# KiCad board aquarius-plus.kicad_pcb
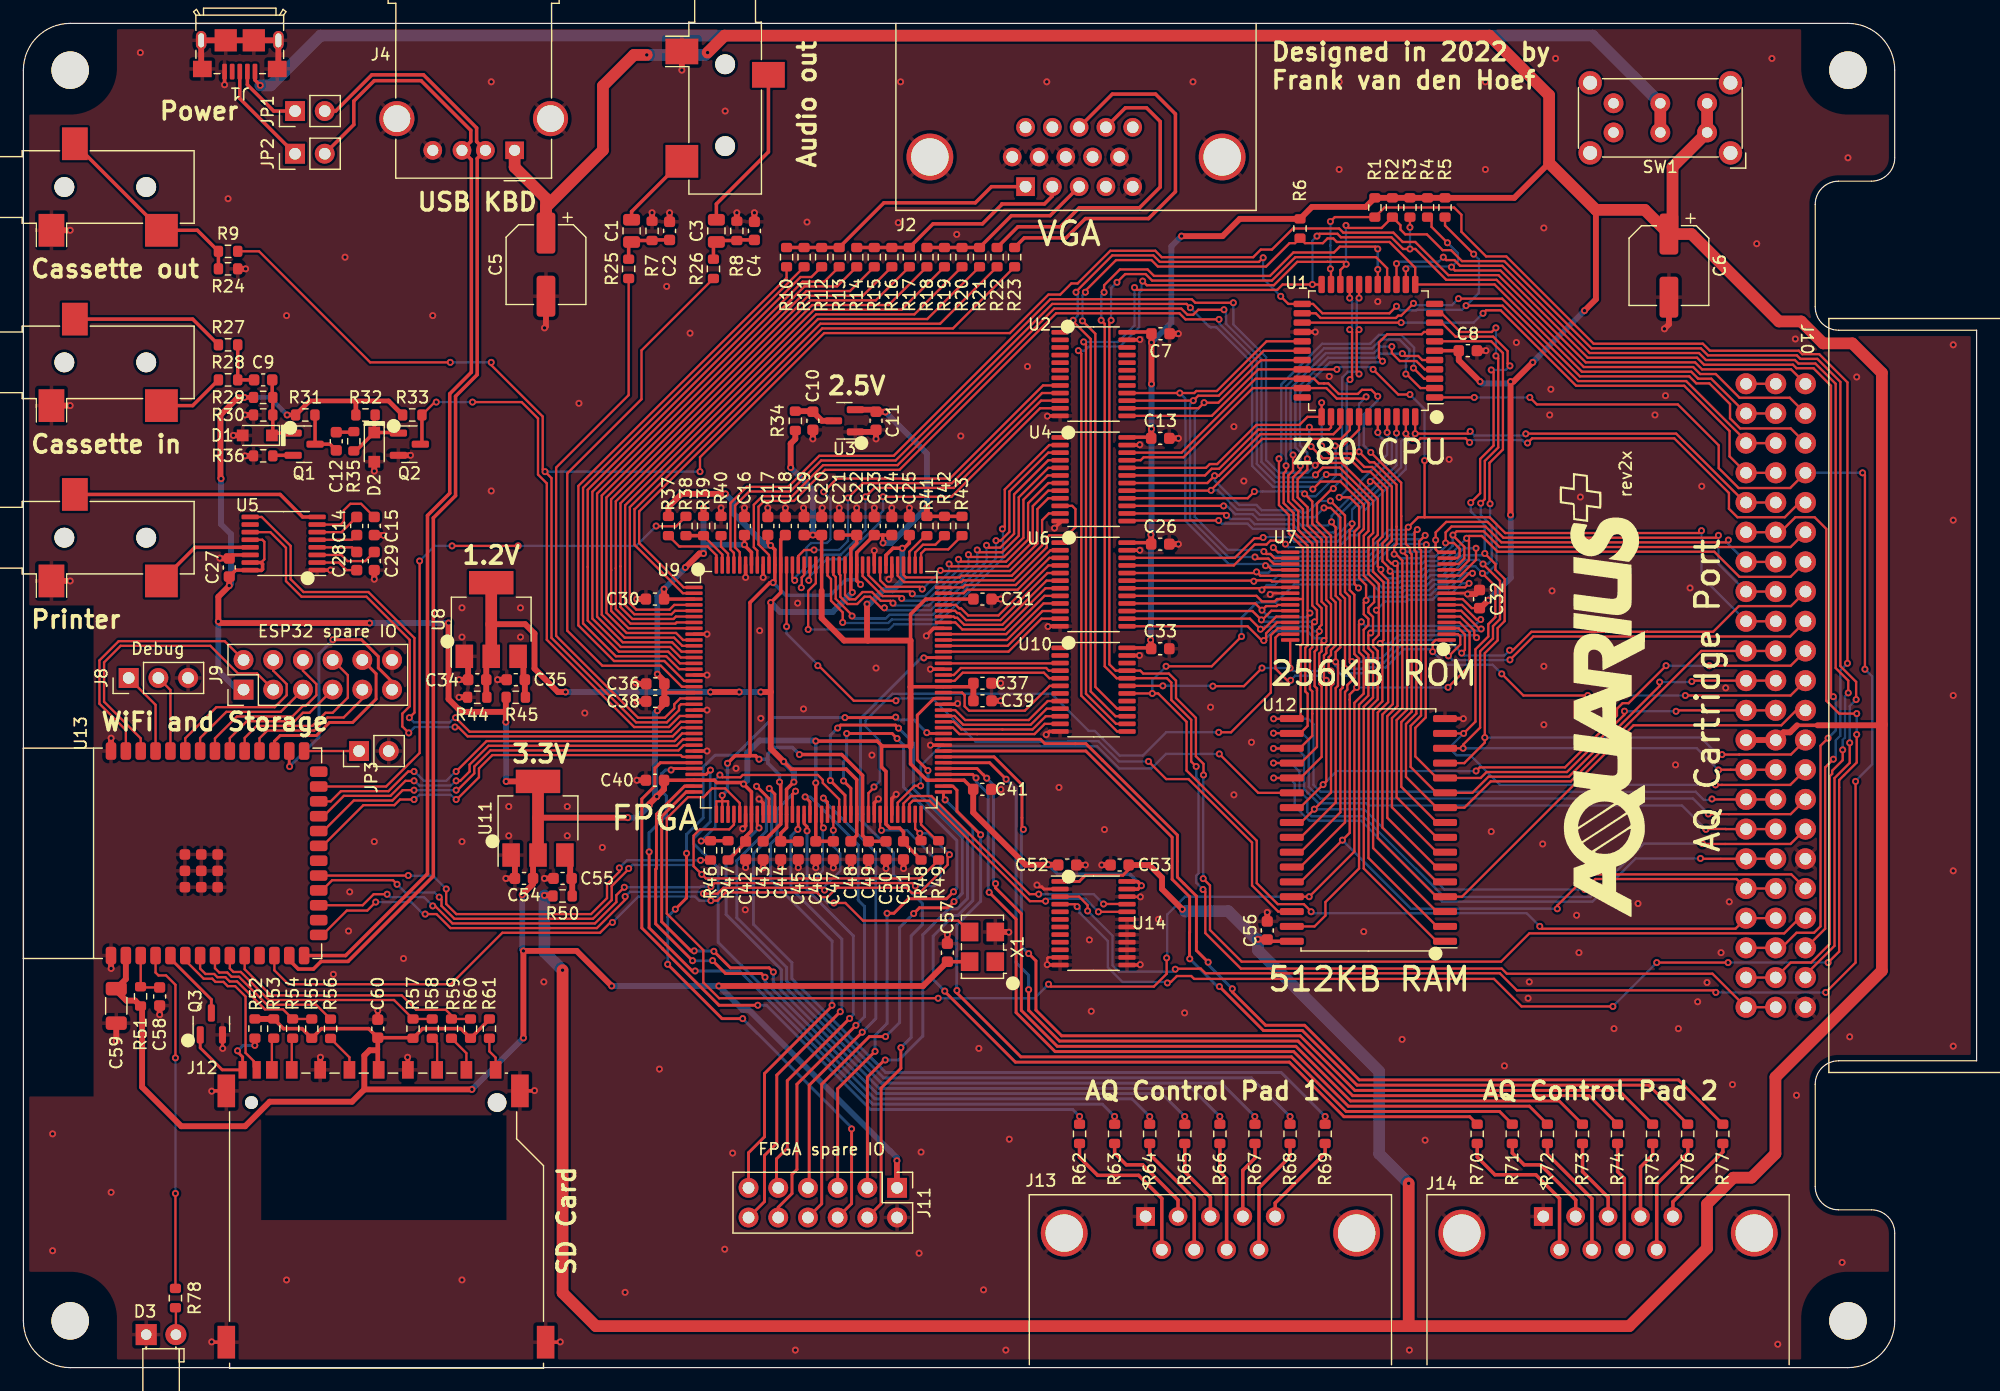
[diagram p0: board, top side]
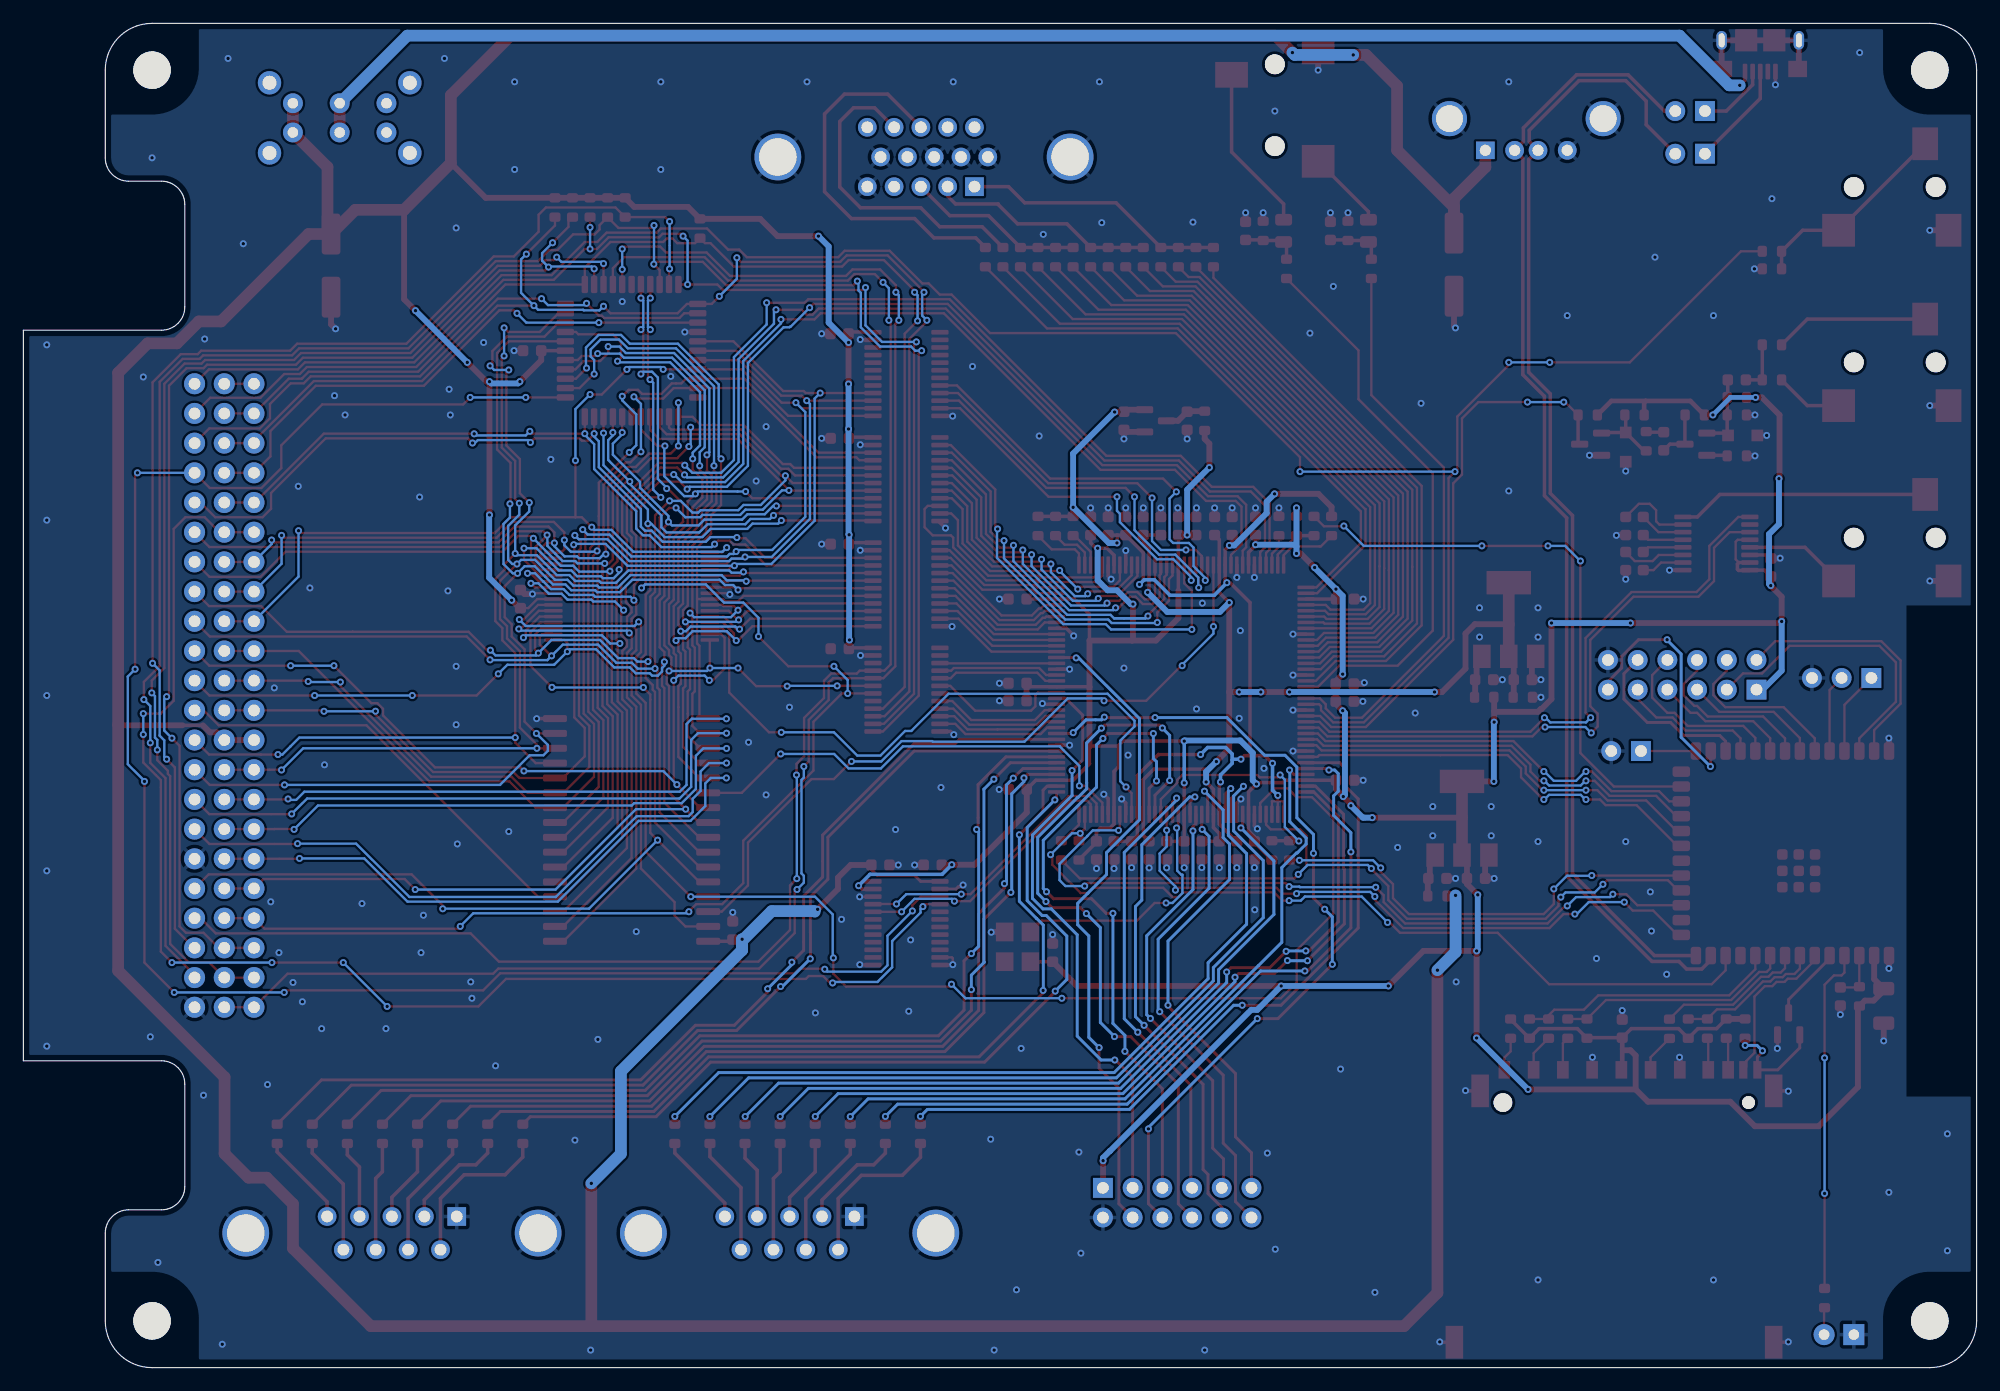
[diagram p1: board, bottom side, seen from below]

Outline 167 x 115 mm; copper layers: Top, Bottom. Coordinates in mm from the lower left corner of the outline.
Outline path: 0,111 0,4 arc(1.17,1.17) 4,0 156,0 arc(158.83,1.17) 160,4 160,11.5 arc(159.41,12.91) 158,13.5 155.2,13.5 arc(153.79,14.09) 153.2,15.5 153.2,24.25 arc(153.79,25.66) 155.2,26.25 167,26.25 167,88.75 155.2,88.75 arc(153.79,89.34) 153.2,90.75 153.2,99.5 arc(153.79,100.91) 155.2,101.5 158,101.5 arc(159.41,102.09) 160,103.5 160,111 arc(158.83,113.83) 156,115 4,115 arc(1.17,113.83) 0,111
Stack: Top 0.035mm / dielectric 1.51mm FR4 er 4.5 / Bottom 0.035mm

## Placement (name value [footprint] x y rotation side)
#G1  LOGO  [aqplus_logo]  135 57.5 90 top
C1  10uF  [C_0805_2012Metric]  52 97.25 90 top
C2  100nF  [C_0603_1608Metric]  55.25 97.25 90 top
C3  10uF  [C_0805_2012Metric]  59.25 97.25 90 top
C4  100nF  [C_0603_1608Metric]  62.5 97.25 90 top
C5  100uF  [CP_Elec_6.3x7.7]  44.68 94.36 270 top
C6  100uF  [CP_Elec_6.3x7.7]  140.69 94.28 270 top
C7  100nF  [C_0603_1608Metric]  97.22 88.45 0 top
C8  100nF  [C_0603_1608Metric]  123.5 87 0 top
C9  100nF  [C_0603_1608Metric]  20.5 84.5 0 top
C10  4.7uF  [C_0603_1608Metric]  67.5 81 270 top
C11  4.7uF  [C_0603_1608Metric]  72.9 81 270 top
C12  4.7uF  [C_0603_1608Metric]  26.75 79.25 90 top
C13  100nF  [C_0603_1608Metric]  97.2 79.5 0 top
C14  100nF  [C_0603_1608Metric]  28.5 72 90 top
C15  100nF  [C_0603_1608Metric]  30 72 270 top
C16  100nF  [C_0603_1608Metric]  61.65 72 90 top
C17  100nF  [C_0603_1608Metric]  63.65 72 90 top
C18  100nF  [C_0603_1608Metric]  65.15 72 90 top
C19  4.7uF  [C_0603_1608Metric]  66.75 72 90 top
C20  100nF  [C_0603_1608Metric]  68.25 72 90 top
C21  4.7uF  [C_0603_1608Metric]  69.75 72 90 top
C22  100nF  [C_0603_1608Metric]  71.25 72 90 top
C23  100nF  [C_0603_1608Metric]  72.75 72 90 top
C24  4.7uF  [C_0603_1608Metric]  74.25 72 90 top
C25  100nF  [C_0603_1608Metric]  75.75 72 90 top
C26  100nF  [C_0603_1608Metric]  97.2 70.45 0 top
C27  4.7uF  [C_0603_1608Metric]  17.6 68.45 90 top
C28  100nF  [C_0603_1608Metric]  28.5 69 90 top
C29  100nF  [C_0603_1608Metric]  30 69 270 top
C30  100nF  [C_0603_1608Metric]  54 65.75 180 top
C31  100nF  [C_0603_1608Metric]  82 65.75 0 top
C32  100nF  [C_0603_1608Metric]  124.5 65.75 90 top
C33  100nF  [C_0603_1608Metric]  97.2 61.5 0 top
C34  4.7uF  [C_0603_1608Metric]  38.8 58.85 180 top
C35  4.7uF  [C_0603_1608Metric]  42.1 58.85 180 top
C36  100nF  [C_0603_1608Metric]  54.03 58.5 180 top
C37  100nF  [C_0603_1608Metric]  82 58.55 0 top
C38  4.7uF  [C_0603_1608Metric]  54.03 57 180 top
C39  4.7uF  [C_0603_1608Metric]  82 57.05 0 top
C40  100nF  [C_0603_1608Metric]  54 50.25 180 top
C41  100nF  [C_0603_1608Metric]  81.99 49.47 0 top
C42  100nF  [C_0603_1608Metric]  61.75 44.25 270 top
C43  100nF  [C_0603_1608Metric]  63.25 44.25 270 top
C44  100nF  [C_0603_1608Metric]  64.75 44.25 270 top
C45  4.7uF  [C_0603_1608Metric]  66.25 44.25 270 top
C46  100nF  [C_0603_1608Metric]  67.75 44.25 270 top
C47  4.7uF  [C_0603_1608Metric]  69.25 44.25 270 top
C48  100nF  [C_0603_1608Metric]  70.75 44.25 270 top
C49  100nF  [C_0603_1608Metric]  72.25 44.25 270 top
C50  4.7uF  [C_0603_1608Metric]  73.75 44.25 270 top
C51  100nF  [C_0603_1608Metric]  75.25 44.25 270 top
C52  100nF  [C_0603_1608Metric]  89.25 43 0 top
C53  100nF  [C_0603_1608Metric]  93.72 43 180 top
C54  4.7uF  [C_0603_1608Metric]  42.8 41.85 180 top
C55  4.7uF  [C_0603_1608Metric]  46.1 41.85 180 top
C56  100nF  [C_0603_1608Metric]  106.35 37.4 90 top
C57  100nF  [C_0603_1608Metric]  79 35.5 90 top
C58  100nF  [C_0603_1608Metric]  11.65 31.75 270 top
C59  22uF  [C_1206_3216Metric]  7.94 30.94 270 top
C60  4.7uF  [C_0603_1608Metric]  30.3 29 90 top
D1  1N4148WS  [D_SOD-323_HandSoldering]  20 79.75 180 top
D2  1N4148WS  [D_SOD-323_HandSoldering]  30 78.75 270 top
D3  SD act.  [LED_D3.0mm_Horizontal_O1.27mm_Z2.0mm]  10.5 2.82 0 top
H1  MountingHole  [MountingHole_3.2mm_M3]  4 111 0 top
H2  MountingHole  [MountingHole_3.2mm_M3]  156 111 0 top
H3  MountingHole  [MountingHole_3.2mm_M3]  4 4 0 top
H4  MountingHole  [MountingHole_3.2mm_M3]  156 4 0 top
J1  Power in  [10118193-0001LF]  18.5 115 180 top
J2  VGA  [ICD15S13E4GV00LF]  90 115 180 top
J3  Audio out  [Jack_3.5mm_CUI_SJ-3523-SMT_Horizontal]  60 109 0 top
J4  ESP USB Host  [USB_A_Molex_67643_Horizontal]  42 104.14 180 top
J5  Cassette out  [Jack_3.5mm_CUI_SJ-3523-SMT_Horizontal]  6 101 90 top
J6  Cassette in  [Jack_3.5mm_CUI_SJ-3523-SMT_Horizontal]  6 86 90 top
J7  Printer  [Jack_3.5mm_CUI_SJ-3523-SMT_Horizontal]  6 71 90 top
J8  DBG  [PinHeader_1x03_P2.54mm_Vertical]  9 59 90 top
J9  ESP32 spare  [PinHeader_2x06_P2.54mm_Vertical]  18.82 58 90 top
J10  Expansion port  [CR22A-44D-2.54DSA(70)]  152.37 57.5 270 top
J11  FPGA spare  [PinHeader_2x06_P2.54mm_Vertical]  74.7 15.38 270 top
J12  Amphenol GSD090012SEU  [SD_TE_2041021]  31 13.5 0 top
J13  Hand controller 1  [DSUB-9_Male_Horizontal_P2.77x2.84mm_EdgePinOffset9.90mm_Housed_MountingHolesOffset11.32mm]  95.95 12.93 0 top
J14  Hand controller 2  [DSUB-9_Male_Horizontal_P2.77x2.84mm_EdgePinOffset9.90mm_Housed_MountingHolesOffset11.32mm]  129.95 12.93 0 top
JP1  USB  [PinHeader_1x02_P2.54mm_Vertical]  23.22 107.5 90 top
JP2  USB  [PinHeader_1x02_P2.54mm_Vertical]  23.22 103.85 90 top
JP3  Bootloader  [PinHeader_1x02_P2.54mm_Vertical]  28.7 52.75 90 top
Q1  BC847C  [SOT-23]  24 79 0 top
Q2  BC847C  [SOT-23]  33 79 0 top
Q3  2N7002  [SOT-23]  16.07 29.4 90 top
R1  1k  [R_0603_1608Metric]  115.55 99.25 270 top
R2  1k  [R_0603_1608Metric]  117.05 99.25 270 top
R3  1k  [R_0603_1608Metric]  118.55 99.25 270 top
R4  1k  [R_0603_1608Metric]  120.05 99.25 270 top
R5  1k  [R_0603_1608Metric]  121.55 99.25 270 top
R6  1k  [R_0603_1608Metric]  109.15 97.45 270 top
R7  150  [R_0603_1608Metric]  53.75 97.25 270 top
R8  150  [R_0603_1608Metric]  61 97.25 270 top
R9  10k  [R_0603_1608Metric]  17.5 95.5 180 top
R10  536  [R_0603_1608Metric]  65.25 95 90 top
R11  1070  [R_0603_1608Metric]  66.75 95 90 top
R12  2150  [R_0603_1608Metric]  68.25 95 90 top
R13  4300  [R_0603_1608Metric]  69.75 95 90 top
R14  536  [R_0603_1608Metric]  71.25 95 90 top
R15  1070  [R_0603_1608Metric]  72.75 95 90 top
R16  2150  [R_0603_1608Metric]  74.25 95 90 top
R17  4300  [R_0603_1608Metric]  75.75 95 90 top
R18  536  [R_0603_1608Metric]  77.25 95 90 top
R19  1070  [R_0603_1608Metric]  78.75 95 90 top
R20  2150  [R_0603_1608Metric]  80.25 95 90 top
R21  4300  [R_0603_1608Metric]  81.75 95 90 top
R22  820  [R_0603_1608Metric]  83.25 95 90 top
R23  820  [R_0603_1608Metric]  84.75 95 90 top
R24  100  [R_0603_1608Metric]  17.5 94 180 top
R25  330  [R_0603_1608Metric]  51.75 94 90 top
R26  330  [R_0603_1608Metric]  59 94 90 top
R27  4.7k  [R_0603_1608Metric]  17.5 87.5 0 top
R28  4.7k  [R_0603_1608Metric]  17.5 84.5 0 top
R29  220k  [R_0603_1608Metric]  20.5 83 180 top
R30  47k  [R_0603_1608Metric]  20.5 81.5 0 top
R31  4.7k  [R_0603_1608Metric]  24.1 81.5 180 top
R32  47k  [R_0603_1608Metric]  29.25 81.5 180 top
R33  4.7k  [R_0603_1608Metric]  33.25 81.5 180 top
R34  1  [R_0603_1608Metric]  66 81 90 top
R35  2.2k  [R_0603_1608Metric]  28.25 79.25 270 top
R36  220  [R_0603_1608Metric]  20.5 78 0 top
R37  4.7k  [R_0603_1608Metric]  55.15 72 90 top
R38  220  [R_0603_1608Metric]  56.65 72 270 top
R39  4.7k  [R_0603_1608Metric]  58.15 72 90 top
R40  DNP  [R_0603_1608Metric]  59.65 72 90 top
R41  4.7k  [R_0603_1608Metric]  77.25 72 90 top
R42  4.7k  [R_0603_1608Metric]  78.75 72 90 top
R43  4.7k  [R_0603_1608Metric]  80.25 72 90 top
R44  100  [R_0603_1608Metric]  38.8 57.35 0 top
R45  1  [R_0603_1608Metric]  42.1 57.35 0 top
R46  220  [R_0603_1608Metric]  58.75 44.25 90 top
R47  4.7k  [R_0603_1608Metric]  60.25 44.25 270 top
R48  1k  [R_0603_1608Metric]  76.75 44.25 270 top
R49  220  [R_0603_1608Metric]  78.25 44.25 90 top
R50  1  [R_0603_1608Metric]  46.1 40.35 0 top
R51  10k  [R_0603_1608Metric]  10.02 31.76 90 top
R52  10k  [R_0603_1608Metric]  19.8 29.01 270 top
R53  10k  [R_0603_1608Metric]  21.4 29 90 top
R54  100  [R_0603_1608Metric]  23.02 29 270 top
R55  10k  [R_0603_1608Metric]  24.65 29 270 top
R56  100  [R_0603_1608Metric]  26.26 28.99 270 top
R57  10k  [R_0603_1608Metric]  33.31 29 270 top
R58  100  [R_0603_1608Metric]  34.96 29 270 top
R59  100  [R_0603_1608Metric]  36.6 29 270 top
R60  10k  [R_0603_1608Metric]  38.23 29 270 top
R61  10k  [R_0603_1608Metric]  39.84 29 90 top
R62  100  [R_0603_1608Metric]  90.3 20 90 top
R63  100  [R_0603_1608Metric]  93.3 20 90 top
R64  100  [R_0603_1608Metric]  96.3 20 90 top
R65  100  [R_0603_1608Metric]  99.3 20 90 top
R66  100  [R_0603_1608Metric]  102.3 20 90 top
R67  100  [R_0603_1608Metric]  105.3 20 90 top
R68  100  [R_0603_1608Metric]  108.3 20 90 top
R69  100  [R_0603_1608Metric]  111.3 20 90 top
R70  100  [R_0603_1608Metric]  124.3 20 90 top
R71  100  [R_0603_1608Metric]  127.3 20 90 top
R72  100  [R_0603_1608Metric]  130.3 20 90 top
R73  100  [R_0603_1608Metric]  133.3 20 90 top
R74  100  [R_0603_1608Metric]  136.3 20 90 top
R75  100  [R_0603_1608Metric]  139.3 20 90 top
R76  100  [R_0603_1608Metric]  142.3 20 90 top
R77  100  [R_0603_1608Metric]  145.3 20 90 top
R78  220  [R_0603_1608Metric]  13 5.95 270 top
SW1  SW_DPDT_x2  [SW_E-Switch_EG2219_DPDT_Angled]  143.96 105.67 180 top
U1  Z84C0010AEG  [LQFP-44_10x10mm_P0.8mm]  115 87 180 top
U2  SN74CBTD3861PWR  [TSSOP-24_4.4x7.8mm_P0.65mm]  91.5 85 0 top
U3  MCP1700T-2502E/TT  [SOT-23]  70.2 81 180 top
U4  SN74CBTD3861PWR  [TSSOP-24_4.4x7.8mm_P0.65mm]  91.5 76 0 top
U5  MAX3221ECPWR  [TSSOP-16_4.4x5mm_P0.65mm]  22.25 70.5 180 top
U6  SN74CBTD3861PWR  [TSSOP-24_4.4x7.8mm_P0.65mm]  91.5 67 0 top
U7  SST39SF020A-55-4C-WHE  [TSOP-I-32_12.4x8mm_P0.5mm]  115 66 180 top
U8  LD1117S12  [SOT-223-3_TabPin2]  40 64 90 top
U9  XC3S200-4TQG144  [TQFP-144_20x20mm_P0.5mm]  68 58 0 top
U10  SN74CBTD3861PWR  [TSSOP-24_4.4x7.8mm_P0.65mm]  91.5 58 0 top
U11  LDL1117S33R  [SOT-223-3_TabPin2]  44 47 90 top
U12  IS61C5128AS-25QLI  [SSOP-32_11.305x20.495mm_P1.27mm]  115 46 180 top
U13  -  [ESP32-S2-SOLO-N4R2]  0 44 90 top
U14  74LVC4245APW  [TSSOP-24_4.4x7.8mm_P0.65mm]  91.5 38.02 0 top
X1  ECS-5032MV-143-CN-TR  [Oscillator_SMD_SeikoEpson_SG8002LB-4Pin_5.0x3.2mm]  82 36 90 top

## Library data of the parts
C1-C4 C7-C60 = -: Description: Unpolarized capacitor, small symbol
C5 C6 = -: Description: Polarized capacitor, small symbol
D1 D2 = -: Description: 75V 0.15A Fast switching Diode, SOD-323
D3 = -: Description: Light emitting diode
H1-H4 = -: Description: Mounting Hole without connection
J1 = -: Description: USB Micro Type B connector
J2 = -: Description: 15-pin female D-SUB connector, High density (3 columns), Triple Row, Generic, VGA-connector, Mounting Hole
J3 J5-J7 = -: Description: Audio Jack, 3 Poles (Stereo / TRS)
J4 = -: Description: USB Type A connector
J8 = -: Description: Generic connector, single row, 01x03, script generated (kicad-library-utils/schlib/autogen/connector/)
J9 J11 = -: Description: Generic connector, double row, 02x06, odd/even pin numbering scheme (row 1 odd numbers, row 2 even numbers), script generated (kicad-library-utils/schlib/autogen/connector/)
J10 = -: Description: Generic connector, double row, 02x22, odd/even pin numbering scheme (row 1 odd numbers, row 2 even numbers), script generated (kicad-library-utils/schlib/autogen/connector/)
J12 = -: Description: SD Card Reader
J13 J14 = -: Description: 9-pin male D-SUB connector, Mounting Hole
JP1-JP3 = -: Description: Jumper, 2-pole, open
Q1 Q2 = -: Description: 0.1A Ic, 45V Vce, NPN Transistor, SOT-23
Q3 = -: Description: 0.115A Id, 60V Vds, N-Channel MOSFET, SOT-23
R1-R78 = -: Description: Resistor
SW1 = -: Description: Switch, dual pole double throw, separate symbols
U1 = -: Description: Z80 CPU
U2 U4 U6 U10 = -: Description: Low-voltage 10-bit FET Bus switch
U3 = -: Description: 250mA Low Quiscent Current LDO, 2.5V output, SOT-23
U5 = -: Description: RS232 transceiver with 15kV ESD protection
U7 = -: Description: Silicon Storage Technology (SSF) 256k x 8 Flash ROM
U8 U11 = -: Description: 1A Low Dropout regulator, positive, 3.3V fixed output, SOT-223
U12 = -: Description: 512K x 8 HIGH-SPEED CMOS STATIC RAM, 25ns, SOP-32
U14 = -: Description: 8-Bit Dual-Supply Bus Transceiver With Configurable Voltage Translation and 3-State Outputs, TSSOP-24
X1 = -: Description: CMOS Clock Oscillator 1 to 75 MHz

## Footprints (pads in the part's own frame, mm; a bottom-side part is the same pattern mirrored in y, then rotated)
10118193-0001LF
  rrect 0.4x1.35 smd: 1(-1.3,4.125) 2(-0.65,4.125) 3(0,4.125) 4(0.65,4.125) 5(1.3,4.125)
  oval 0.9x1.6 hole 0.5x1.2: 6(-3.3,1.45) 6(3.3,1.45)
  rect 1.6x1.4 smd: 6(-3.2,3.9) 6(3.2,3.9)
  rect 1.9x1.9 smd: 6(-1.2,1.45) 6(1.2,1.45)
C_0603_1608Metric
  rrect 0.9x0.95 smd: 1(-0.775,0) 2(0.775,0)
C_0805_2012Metric
  rrect 1x1.45 smd: 1(-0.95,0) 2(0.95,0)
C_1206_3216Metric
  rrect 1.15x1.8 smd: 1(-1.475,0) 2(1.475,0)
CP_Elec_6.3x7.7
  rrect 3.5x1.6 smd: 1(-2.7,0) 2(2.7,0)
CR22A-44D-2.54DSA(70)
  round 1.8 hole 1: 1(-26.67,-2.54) 1(-26.67,-5.08) 2(-26.67,0) 3(-24.13,-2.54) 3(-24.13,-5.08) 4(-24.13,0) 5(-21.59,-2.54) 5(-21.59,-5.08) 6(-21.59,0) 7(-19.05,-2.54) 7(-19.05,-5.08) 8(-19.05,0) 9(-16.51,-2.54) 9(-16.51,-5.08) 10(-16.51,0) 11(-13.97,-2.54) 11(-13.97,-5.08) 12(-13.97,0) 13(-11.43,-2.54) 13(-11.43,-5.08) 14(-11.43,0) 15(-8.89,-2.54) 15(-8.89,-5.08) 16(-8.89,0) 17(-6.35,-2.54) 17(-6.35,-5.08) 18(-6.35,0) 19(-3.81,-2.54) 19(-3.81,-5.08) 20(-3.81,0) 21(-1.27,-2.54) 21(-1.27,-5.08) 22(-1.27,0) 23(1.27,-2.54) 23(1.27,-5.08) 24(1.27,0) 25(3.81,-2.54) 25(3.81,-5.08) 26(3.81,0) 27(6.35,-2.54) 27(6.35,-5.08) 28(6.35,0) 29(8.89,-2.54) 29(8.89,-5.08) 30(8.89,0) 31(11.43,-2.54) 31(11.43,-5.08) 32(11.43,0) 33(13.97,-2.54) 33(13.97,-5.08) 34(13.97,0) 35(16.51,-2.54) 35(16.51,-5.08) 36(16.51,0) 37(19.05,-2.54) 37(19.05,-5.08) 38(19.05,0) 39(21.59,-2.54) 39(21.59,-5.08) 40(21.59,0) 41(24.13,-2.54) 41(24.13,-5.08) 42(24.13,0) 43(26.67,-2.54) 43(26.67,-5.08) 44(26.67,0)
D_SOD-323_HandSoldering
  rect 1x1 smd: 1(-1.25,0) 2(1.25,0)
DSUB-9_Male_Horizontal_P2.77x2.84mm_EdgePinOffset9.90mm_Housed_MountingHolesOffset11.32mm
  round 4 hole 3.2: 0(-6.96,-1.42) 0(18.04,-1.42)
  rect 1.6x1.6 hole 1: 1(0,0)
  round 1.6 hole 1: 2(2.77,0) 3(5.54,0) 4(8.31,0) 5(11.08,0) 6(1.385,-2.84) 7(4.155,-2.84) 8(6.925,-2.84) 9(9.695,-2.84)
ESP32-S2-SOLO-N4R2
  rrect 1.5x0.9 smd: 1(-8.75,-7.49) 2(-8.75,-8.76) 3(-8.75,-10.03) 4(-8.75,-11.3) 5(-8.75,-12.57) 6(-8.75,-13.84) 7(-8.75,-15.11) 8(-8.75,-16.38) 9(-8.75,-17.65) 10(-8.75,-18.92) 11(-8.75,-20.19) 12(-8.75,-21.46) 13(-8.75,-22.73) 14(-8.75,-24) 27(8.75,-24) 28(8.75,-22.73) 29(8.75,-21.46) 30(8.75,-20.19) 31(8.75,-18.92) 32(8.75,-17.65) 33(8.75,-16.38) 34(8.75,-15.11) 35(8.75,-13.84) 36(8.75,-12.57) 37(8.75,-11.3) 38(8.75,-10.03) 39(8.75,-8.76) 40(8.75,-7.49)
  rrect 0.9x1.5 smd: 15(-6.985,-25.25) 16(-5.715,-25.25) 17(-4.445,-25.25) 18(-3.175,-25.25) 19(-1.905,-25.25) 20(-0.635,-25.25) 21(0.635,-25.25) 22(1.905,-25.25) 23(3.175,-25.25) 24(4.445,-25.25) 25(5.715,-25.25) 26(6.985,-25.25)
  rrect 0.9x0.9 smd: 41(-2.9,-13.81) 41(-2.9,-15.21) 41(-2.9,-16.61) 41(-1.5,-13.81) 41(-1.5,-15.21) 41(-1.5,-16.61) 41(-0.1,-13.81) 41(-0.1,-15.21) 41(-0.1,-16.61)
ICD15S13E4GV00LF
  round 4 hole 3.2: 0(-12.495,11.43) 0(12.495,11.43)
  rect 1.6x1.6 hole 1: 1(4.315,13.97)
  round 1.6 hole 1: 2(2.025,13.97) 3(-0.265,13.97) 4(-2.555,13.97) 5(-4.845,13.97) 6(5.455,11.43) 7(3.165,11.43) 8(0.875,11.43) 9(-1.415,11.43) 10(-3.705,11.43) 11(4.315,8.89) 12(2.025,8.89) 13(-0.265,8.89) 14(-2.555,8.89) 15(-4.845,8.89)
Jack_3.5mm_CUI_SJ-3523-SMT_Horizontal
  round 1.7 hole 1.7 unplated: (0,2.5) (0,-4.5)
  rect 2.8x2.2 smd: R(3.7,1.6) S(-3.7,3.6)
  rect 2.8x2.8 smd: T(-3.7,-5.8)
LED_D3.0mm_Horizontal_O1.27mm_Z2.0mm
  rect 1.8x1.8 hole 0.9: 1(0,0)
  round 1.8 hole 0.9: 2(2.54,0)
LQFP-44_10x10mm_P0.8mm
  rrect 1.475x0.55 smd: 1(-5.662,4) 2(-5.662,3.2) 3(-5.662,2.4) 4(-5.662,1.6) 5(-5.662,0.8) 6(-5.662,0) 7(-5.662,-0.8) 8(-5.662,-1.6) 9(-5.662,-2.4) 10(-5.662,-3.2) 11(-5.662,-4) 23(5.662,-4) 24(5.662,-3.2) 25(5.662,-2.4) 26(5.662,-1.6) 27(5.662,-0.8) 28(5.662,0) 29(5.662,0.8) 30(5.662,1.6) 31(5.662,2.4) 32(5.662,3.2) 33(5.662,4)
  rrect 0.55x1.475 smd: 12(-4,-5.662) 13(-3.2,-5.662) 14(-2.4,-5.662) 15(-1.6,-5.662) 16(-0.8,-5.662) 17(0,-5.662) 18(0.8,-5.662) 19(1.6,-5.662) 20(2.4,-5.662) 21(3.2,-5.662) 22(4,-5.662) 34(4,5.662) 35(3.2,5.662) 36(2.4,5.662) 37(1.6,5.662) 38(0.8,5.662) 39(0,5.662) 40(-0.8,5.662) 41(-1.6,5.662) 42(-2.4,5.662) 43(-3.2,5.662) 44(-4,5.662)
MountingHole_3.2mm_M3
  round 3.2 hole 3.2 unplated: (0,0)
Oscillator_SMD_SeikoEpson_SG8002LB-4Pin_5.0x3.2mm
  rect 1.6x1.5 smd: 1(-1.27,-1.1) 2(1.27,-1.1) 3(1.27,1.1) 4(-1.27,1.1)
PinHeader_1x02_P2.54mm_Vertical
  rect 1.7x1.7 hole 1: 1(0,0)
  oval 1.7x1.7 hole 1: 2(0,-2.54)
PinHeader_1x03_P2.54mm_Vertical
  rect 1.7x1.7 hole 1: 1(0,0)
  oval 1.7x1.7 hole 1: 2(0,-2.54) 3(0,-5.08)
PinHeader_2x06_P2.54mm_Vertical
  rect 1.7x1.7 hole 1: 1(0,0)
  oval 1.7x1.7 hole 1: 2(2.54,0) 3(0,-2.54) 4(2.54,-2.54) 5(0,-5.08) 6(2.54,-5.08) 7(0,-7.62) 8(2.54,-7.62) 9(0,-10.16) 10(2.54,-10.16) 11(0,-12.7) 12(2.54,-12.7)
R_0603_1608Metric
  rrect 0.8x0.95 smd: 1(-0.825,0) 2(0.825,0)
SD_TE_2041021
  round 1.1 hole 1.1 unplated: (-11.5,9.175)
  round 1.6 hole 1.6 unplated: (9.5,9.175)
  rect 1x1.5 smd: 1(6.875,11.975) 2(4.375,11.975) 3(1.875,11.975) 4(-0.625,11.975) 5(-3.125,11.975) 6(-5.625,11.975) 7(-8.055,11.975) 8(-9.755,11.975) 9(9.375,11.975)
  rect 0.7x1.5 smd: 10(-11.055,11.975) 11(-12.255,11.975)
  rect 1.5x2.8 smd: 12(-13.65,10.175) 12(-13.65,-11.325) 12(11.45,10.175) 12(13.65,-11.325)
SOT-23
  rrect 1.475x0.6 smd: 1(-0.938,0.95) 2(-0.938,-0.95) 3(0.938,0)
SOT-223-3_TabPin2
  rect 2x1.5 smd: 1(-3.15,2.3) 2(-3.15,0) 3(-3.15,-2.3)
  rect 2x3.8 smd: 2(3.15,0)
SSOP-32_11.305x20.495mm_P1.27mm
  rrect 2.05x0.6 smd: 1(-6.55,9.525) 2(-6.55,8.255) 3(-6.55,6.985) 4(-6.55,5.715) 5(-6.55,4.445) 6(-6.55,3.175) 7(-6.55,1.905) 8(-6.55,0.635) 9(-6.55,-0.635) 10(-6.55,-1.905) 11(-6.55,-3.175) 12(-6.55,-4.445) 13(-6.55,-5.715) 14(-6.55,-6.985) 15(-6.55,-8.255) 16(-6.55,-9.525) 17(6.55,-9.525) 18(6.55,-8.255) 19(6.55,-6.985) 20(6.55,-5.715) 21(6.55,-4.445) 22(6.55,-3.175) 23(6.55,-1.905) 24(6.55,-0.635) 25(6.55,0.635) 26(6.55,1.905) 27(6.55,3.175) 28(6.55,4.445) 29(6.55,5.715) 30(6.55,6.985) 31(6.55,8.255) 32(6.55,9.525)
SW_E-Switch_EG2219_DPDT_Angled
  round 2 hole 1.2: (-2,1.75) (-2,-4.25) (10,1.75) (10,-4.25)
  round 1.7 hole 0.9: 1(0,0) 2(4,0) 3(8,0) 4(0,-2.5) 5(4,-2.5) 6(8,-2.5)
TQFP-144_20x20mm_P0.5mm
  rrect 1.475x0.3 smd: 1(-10.662,8.75) 2(-10.662,8.25) 3(-10.662,7.75) 4(-10.662,7.25) 5(-10.662,6.75) 6(-10.662,6.25) 7(-10.662,5.75) 8(-10.662,5.25) 9(-10.662,4.75) 10(-10.662,4.25) 11(-10.662,3.75) 12(-10.662,3.25) 13(-10.662,2.75) 14(-10.662,2.25) 15(-10.662,1.75) 16(-10.662,1.25) 17(-10.662,0.75) 18(-10.662,0.25) 19(-10.662,-0.25) 20(-10.662,-0.75) 21(-10.662,-1.25) 22(-10.662,-1.75) 23(-10.662,-2.25) 24(-10.662,-2.75) 25(-10.662,-3.25) 26(-10.662,-3.75) 27(-10.662,-4.25) 28(-10.662,-4.75) 29(-10.662,-5.25) 30(-10.662,-5.75) 31(-10.662,-6.25) 32(-10.662,-6.75) 33(-10.662,-7.25) 34(-10.662,-7.75) 35(-10.662,-8.25) 36(-10.662,-8.75) 73(10.662,-8.75) 74(10.662,-8.25) 75(10.662,-7.75) 76(10.662,-7.25) 77(10.662,-6.75) 78(10.662,-6.25) 79(10.662,-5.75) 80(10.662,-5.25) 81(10.662,-4.75) 82(10.662,-4.25) 83(10.662,-3.75) 84(10.662,-3.25) 85(10.662,-2.75) 86(10.662,-2.25) 87(10.662,-1.75) 88(10.662,-1.25) 89(10.662,-0.75) 90(10.662,-0.25) 91(10.662,0.25) 92(10.662,0.75) 93(10.662,1.25) 94(10.662,1.75) 95(10.662,2.25) 96(10.662,2.75) 97(10.662,3.25) 98(10.662,3.75) 99(10.662,4.25) 100(10.662,4.75) 101(10.662,5.25) 102(10.662,5.75) 103(10.662,6.25) 104(10.662,6.75) 105(10.662,7.25) 106(10.662,7.75) 107(10.662,8.25) 108(10.662,8.75)
  rrect 0.3x1.475 smd: 37(-8.75,-10.662) 38(-8.25,-10.662) 39(-7.75,-10.662) 40(-7.25,-10.662) 41(-6.75,-10.662) 42(-6.25,-10.662) 43(-5.75,-10.662) 44(-5.25,-10.662) 45(-4.75,-10.662) 46(-4.25,-10.662) 47(-3.75,-10.662) 48(-3.25,-10.662) 49(-2.75,-10.662) 50(-2.25,-10.662) 51(-1.75,-10.662) 52(-1.25,-10.662) 53(-0.75,-10.662) 54(-0.25,-10.662) 55(0.25,-10.662) 56(0.75,-10.662) 57(1.25,-10.662) 58(1.75,-10.662) 59(2.25,-10.662) 60(2.75,-10.662) 61(3.25,-10.662) 62(3.75,-10.662) 63(4.25,-10.662) 64(4.75,-10.662) 65(5.25,-10.662) 66(5.75,-10.662) 67(6.25,-10.662) 68(6.75,-10.662) 69(7.25,-10.662) 70(7.75,-10.662) 71(8.25,-10.662) 72(8.75,-10.662) 109(8.75,10.662) 110(8.25,10.662) 111(7.75,10.662) 112(7.25,10.662) 113(6.75,10.662) 114(6.25,10.662) 115(5.75,10.662) 116(5.25,10.662) 117(4.75,10.662) 118(4.25,10.662) 119(3.75,10.662) 120(3.25,10.662) 121(2.75,10.662) 122(2.25,10.662) 123(1.75,10.662) 124(1.25,10.662) 125(0.75,10.662) 126(0.25,10.662) 127(-0.25,10.662) 128(-0.75,10.662) 129(-1.25,10.662) 130(-1.75,10.662) 131(-2.25,10.662) 132(-2.75,10.662) 133(-3.25,10.662) 134(-3.75,10.662) 135(-4.25,10.662) 136(-4.75,10.662) 137(-5.25,10.662) 138(-5.75,10.662) 139(-6.25,10.662) 140(-6.75,10.662) 141(-7.25,10.662) 142(-7.75,10.662) 143(-8.25,10.662) 144(-8.75,10.662)